# Altium PCB Pi4GPU_v1.PcbDoc (part 3 of 4)
Units mm, origin at the board's own origin, x right, y up, seen from the top; angles counter-clockwise.
Board outline 161.8 x 100 mm, 4 copper layers (L1 [TOP], L2, L3, L4 [BOT]), stack 1.548 mm thick; 285 components, 169 nets, 1067 pads, 1076 vias.
Unrouted connection lines stored in the file: 241.
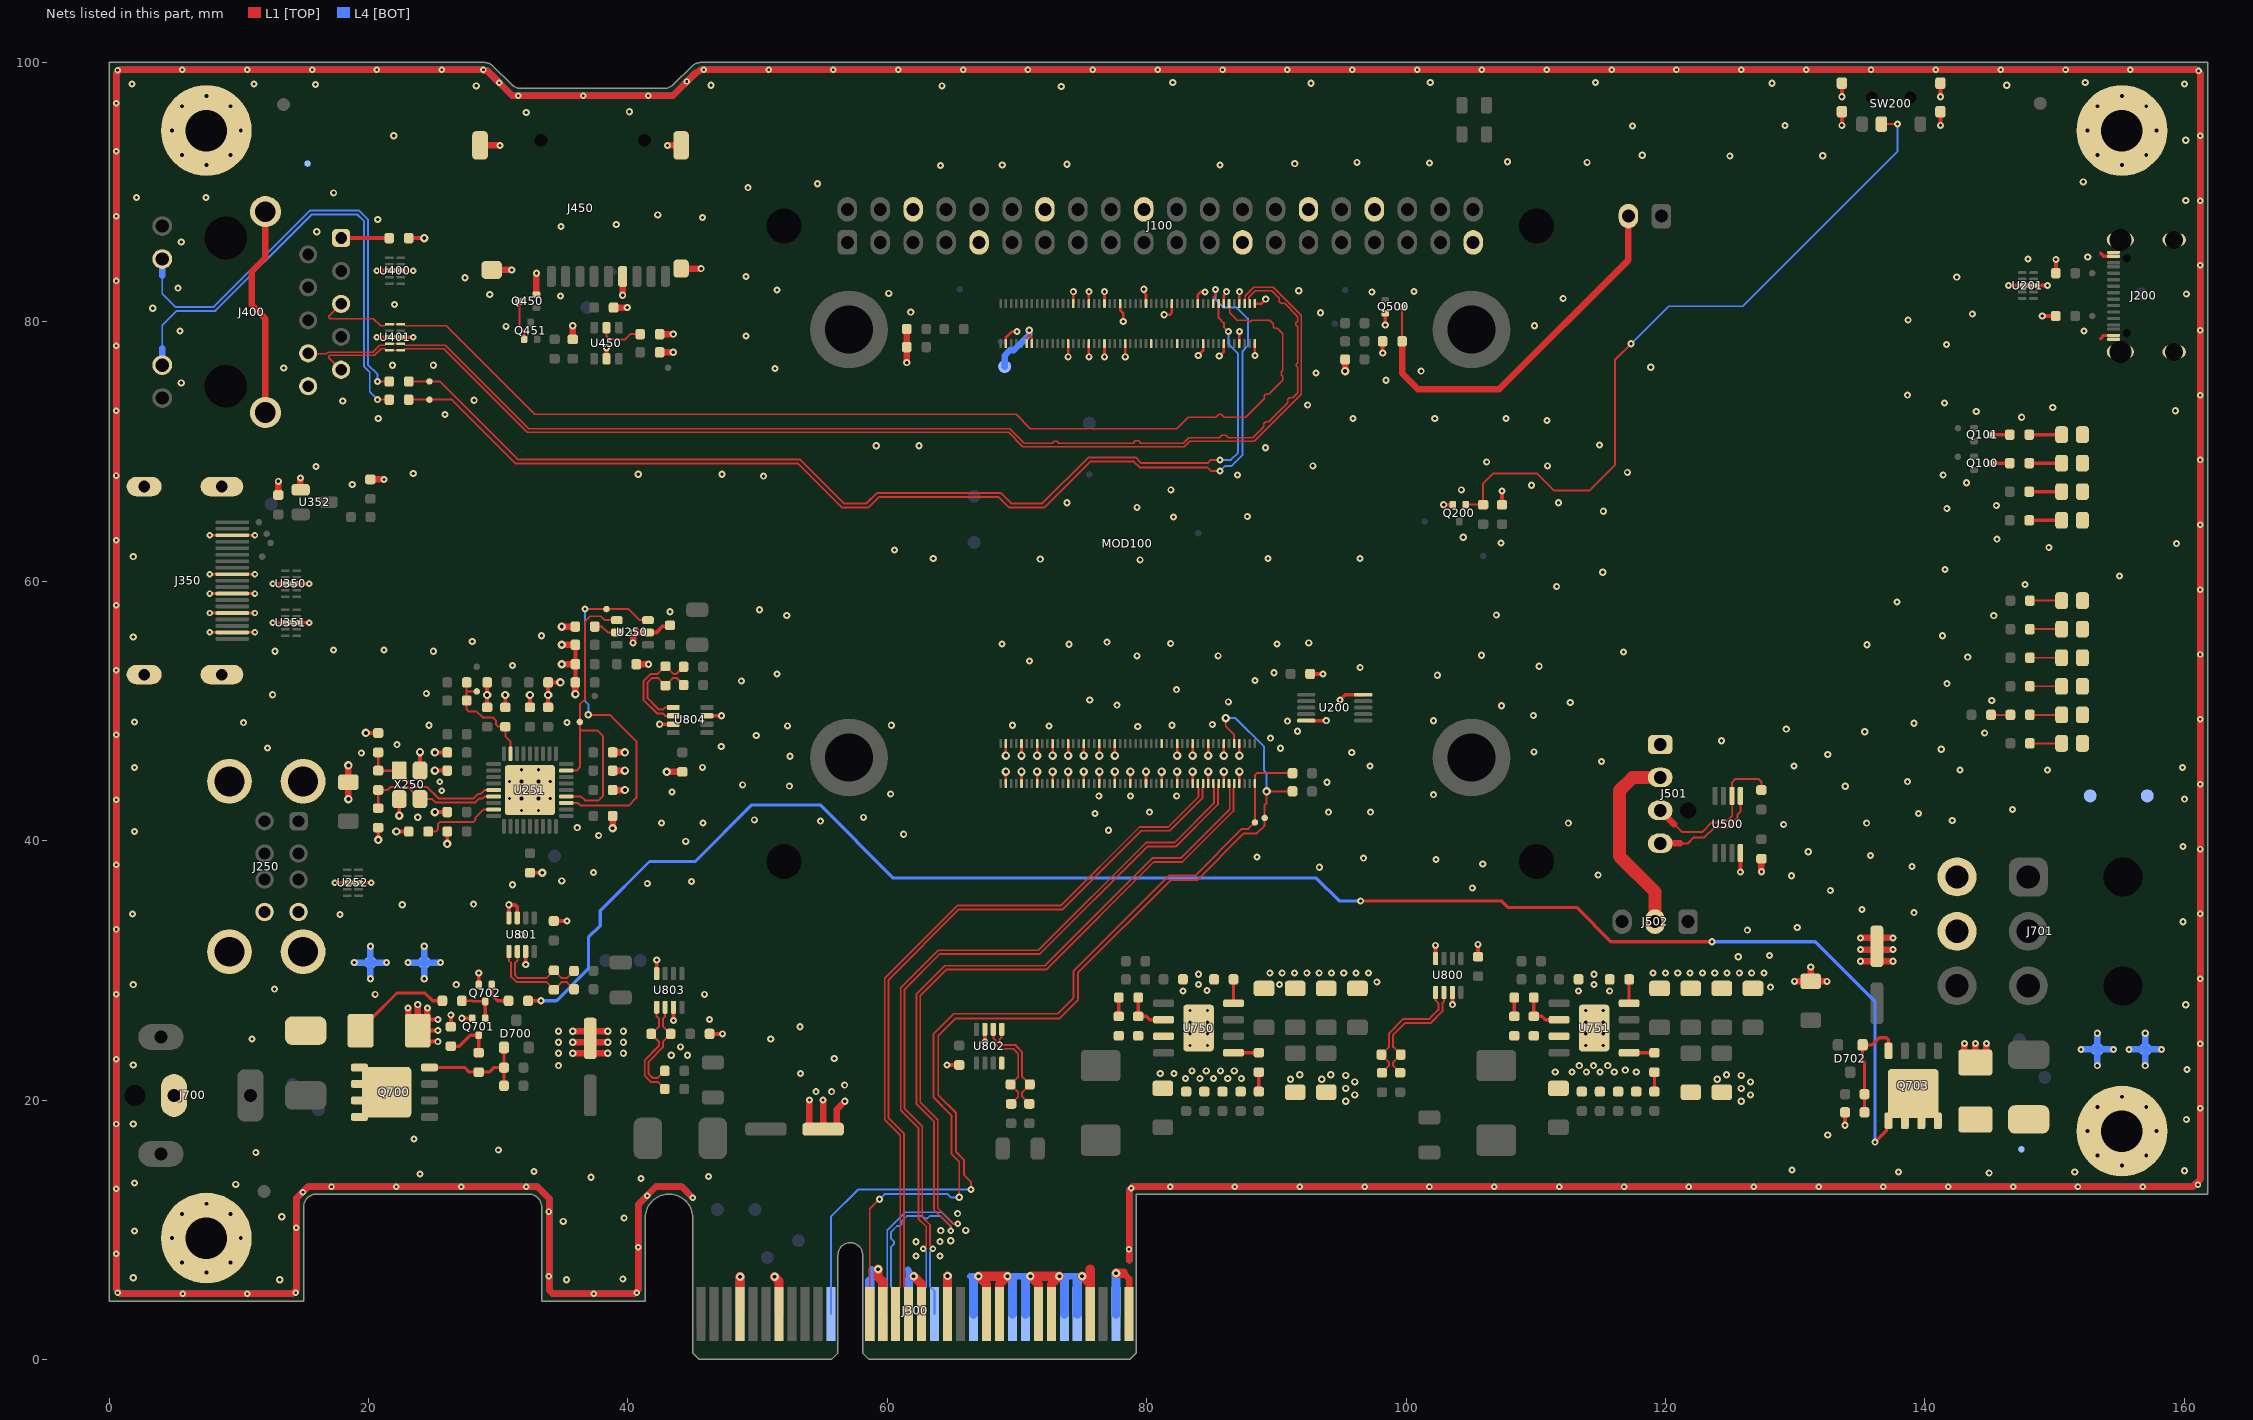
[diagram p5: the nets of this part, all layers, seen from the top]

## Via types
v1: diameter 0.55, hole 0.25, L1 [TOP] to L4 [BOT], 764 vias
v2: diameter 0.65, hole 0.3, L1 [TOP] to L4 [BOT], 174 vias
v3: diameter 0.5, hole 0.2, L1 [TOP] to L4 [BOT], 138 vias

## Nets (pads, with @x,y where several pads share a name; then routed paths per layer and width w, separated by ;. In a path a pad name is that pad's centre, name@x,y a point inside that pad or via, vN(x,y) a via of type N, cw(c..) or ccw(c..) an arc to the next point about the centre after c; other vN are vias at no path point) (continued)
ETH_D2_P: J400.5 MOD100.11 U401.1 U401.10 | length 89.9
  L1 [TOP] w0.102: U401.1@21.612,79.8 U401.10@22.487,79.8
  L1 [TOP] w0.112: J400.5@17.89,81.385 16.946,80.441 16.946,80.348 17.044,80.25 20.374,80.25 20.942,79.682 21.265,79.682 21.331,79.748 21.331,79.756 21.375,79.8 U401.1@21.612,79.8 ; U401.10@22.487,79.8 22.725,79.8 22.769,79.756 22.769,79.748 22.835,79.682 26.014,79.682 32.827,72.869 69.932,72.869 71.027,71.774 82.338,71.774 83.208,72.645 85.346,72.645 85.58,72.879 85.747,72.879 85.981,72.645 87.645,72.645 89.073,74.073 89.073,74.293 89.181,74.4 89.4,74.4 90.5,75.5 90.5,75.8 90.362,75.938 90.362,76.12 90.5,76.259 90.5,79.096 90.085,79.511 89.875,79.511 89.75,79.636 89.75,79.846 89.473,80.122 88.094,80.122 87.975,80.004 87.819,80.004 87.7,80.122 86.978,80.122 86.418,80.682 86.418,81.072 86.35,81.14 MOD100.11@86.35,81.4
ETH_D3_N: J400.9 MOD100.5 U401.5 U401.6 | length 93.7
  L1 [TOP] w0.102: U401.5@21.612,77.8 U401.6@22.487,77.8
  L1 [TOP] w0.112: J400.9@17.89,76.305 16.946,77.249 16.946,77.342 17.011,77.408 20.458,77.408 20.968,77.918 21.265,77.918 21.331,77.852 21.331,77.844 21.375,77.8 U401.5@21.612,77.8 ; U401.6@22.487,77.8 22.725,77.8 22.769,77.844 22.769,77.852 22.835,77.918 25.803,77.918 32.248,71.473 69.353,71.473 70.448,70.378 82.916,70.378 83.338,70.799 88.295,70.799 91.914,74.419 91.914,80.51 89.774,82.65 88.276,82.65 87.618,81.992 87.618,81.728 87.55,81.66 MOD100.5@87.55,81.4
ETH_D3_P: J400.8 MOD100.3 U401.4 U401.7 | length 93.7
  L1 [TOP] w0.102: U401.4@21.612,78.3 U401.7@22.487,78.3
  L1 [TOP] w0.112: J400.8@15.35,77.575 15.396,77.529 16.759,77.529 16.902,77.672 20.348,77.672 20.858,78.182 21.265,78.182 21.331,78.248 21.331,78.256 21.375,78.3 U401.4@21.612,78.3 ; U401.7@22.487,78.3 22.725,78.3 22.769,78.256 22.769,78.248 22.835,78.182 25.913,78.182 32.358,71.737 69.463,71.737 70.558,70.642 72.716,70.642 72.871,70.797 73.052,70.797 73.207,70.642 78.95,70.642 79.124,70.816 79.384,70.816 79.558,70.642 82.807,70.642 83.151,70.986 83.228,71.064 85.603,71.064 85.789,71.25 86.09,71.25 86.276,71.064 88.186,71.064 89.036,71.914 89.036,72.155 89.181,72.3 89.421,72.3 90.882,73.761 90.882,74.032 91.01,74.16 91.282,74.16 91.65,74.528 91.65,76.482 91.543,76.589 91.543,76.719 91.65,76.827 91.65,79.633 91.504,79.779 91.504,79.913 91.65,80.059 91.65,80.4 90.63,81.42 90.359,81.42 90.235,81.544 90.235,81.815 89.664,82.386 88.386,82.386 87.882,81.882 87.882,81.728 87.95,81.66 MOD100.3@87.95,81.4
ETH_LED_nACT: MOD100.15 R400.1 TP400.1 | length 82.6
  L1 [TOP] w0.15: R400.1@23.1,75.4 TP400.1@24.7,75.4 25.5,75.4 31.5,69.4 53.261,69.4 56.661,66 58.4,66 59.216,66.816 68.734,66.816 69.55,66 71.968,66 75.52,69.552 79.148,69.552 79.598,69.102 84.702,69.102 84.95,69.35 v1(85.65,69.35) ; MOD100.15@85.55,81.4 85.55,80.3 85.95,79.9 85.95,79.6 v1(86.3,79.25)
  L4 [BOT] w0.15: v1(85.65,69.35) 86.5,69.35 87.05,69.9 87.05,77.55 86.3,78.3 v1(86.3,79.25)
ETH_LED_nSPD: MOD100.17 R401.1 TP401.1 | length 86.4
  L1 [TOP] w0.15: R401.1@23.1,74 TP401.1@24.7,74 26.43,74 31.362,69.068 53.123,69.068 56.523,65.668 58.538,65.668 59.353,66.483 68.597,66.483 69.412,65.668 72.105,65.668 75.658,69.22 79.01,69.22 79.46,68.77 84.68,68.77 84.95,68.5 v1(85.65,68.5) ; MOD100.17@85.15,81.4 85.15,81.9 85.3,82.05 v1(85.3,82.5)
  L4 [BOT] w0.15: v1(85.3,82.5) 85.3,81.75 85.95,81.1 86.95,81.1 87.8,80.25 87.8,78.15 87.4,77.75 87.4,69.755 86.545,68.9 86.05,68.9 v1(85.65,68.5)
FAN2_PWM: J501.4 U500.5 | length 8.6
  L1 [TOP] w0.15: 121.126,39.79 121.74,39.79 122.2,40.25 123,40.25 123.75,41 124.8,41 125.55,41.75 125.55,42 125.775,42.225 U500.5@125.775,43.45
  L1 [TOP] w0.5: J501.4@119.6,39.79 121.126,39.79
FAN2_TACH: J501.3 R500.1 U500.6 | length 12.4
  L1 [TOP] w0.15: 120.679,41.251 121.28,40.65 122.834,40.65 123.584,41.4 124.634,41.4 125.15,41.916 U500.6@125.15,43.35 ; U500.6@125.125,43.45 125.125,44.475 125.4,44.75 127.2,44.75 127.4,44.55 R500.1@127.4,43.9
  L1 [TOP] w0.5: J501.3@119.6,42.33 120.679,41.251
GND: C100.1 C200.1 C250.1 C251.1 C252.1 C253.1 C254.1 C255.1 C256.1 C257.1 C258.1 C259.1 C260.1 C261.1 C262.1 C263.1 C264.1 C265.1 C266.1 C267.1 C268.1 C350.1 C351.1 C400.1 C450.1 C451.1 C500.1 C701.1 C703.1 C704.1 C705.1 C751.1 C752.1 C753.1 C755.1 C756.1 C757.1 C758.1 C759.1 C760.1 C761.1 C762.1 C763.1 C764.1 C765.1 C767.1 C768.1 C769.1 C771.1 C772.1 C773.1 C774.1 C775.1 C776.1 C777.1 C778.1 C779.1 C780.1 C781.1 C802.1 C803.1 C806.1 C807.1 C809.1 D701.2 D703.2 J100.6 J100.9 J100.14 J100.20 J100.25 J100.30 J100.34 J100.39 J200.A1 J200.A12 J200.B1 J200.B12 J200.SH J250.4 J250.8 J250.SH1 J250.SH2 J250.SH3 J250.SH4 J300.A04 J300.A12 J300.A15 J300.A18 J300.A20 J300.A23 J300.A24 J300.A27 J300.A28 J300.A31 J300.B04 J300.B07 J300.B13 J300.B16 J300.B18 J300.B21 J300.B22 J300.B25 J300.B26 J300.B29 J300.B32 J350.2 J350.5 J350.8 J350.11 J350.17 J350.SH J400.10 J400.SH J450.6 J450.SH1 J450.SH2 J450.SH3 J450.SH4 J501.1 J700.2 J701.4 J701.5 LED100.1 LED101.1 LED500.1 LED501.1 LED700.1 LED701.1 LED702.1 LED703.1 LED750.1 LED751.1 MH904.MH MH905.MH MH906.MH MH907.MH MOD100.1 MOD100.2 MOD100.7 MOD100.8 MOD100.13 MOD100.14 MOD100.22 MOD100.23 MOD100.32 MOD100.33 MOD100.42 MOD100.43 MOD100.52 MOD100.53 MOD100.59 MOD100.60 MOD100.65 MOD100.66 MOD100.71 MOD100.74 MOD100.98 MOD100.107 MOD100.108 MOD100.113 MOD100.114 MOD100.119 MOD100.120 MOD100.125 MOD100.126 MOD100.131 MOD100.132 MOD100.137 MOD100.138 MOD100.144 MOD100.150 MOD100.155 MOD100.156 MOD100.161 MOD100.162 MOD100.167 MOD100.168 MOD100.173 MOD100.174 MOD100.179 MOD100.180 MOD100.185 MOD100.186 MOD100.191 MOD100.192 MOD100.197 MOD100.198 Q200.2 Q450.2 Q500.2 Q701.2 Q702.2 R103.1 R104.1 R201.2 R202.2 R203.1 R250.1 R251.1 R252.1 R253.1 R254.1 R255.1 R451.1 R452.1 R503.1 R705.1 R709.1 R754.1 R760.1 SW200.SH TP110.1 TP111.1 TP700.1 TP701.1 TP702.1 TP703.1 TP753.1 TP755.1 U200.5 U200.10 U201.3 U201.8 U250.2 U251.EP U252.3 U252.8 U350.3 U350.8 U351.3 U351.8 U352.1 U400.3 U400.8 U401.3 U401.8 U450.2 U500.4 U750.7 U750.EP U751.7 U751.EP U800.3 U800.8 U801.3 U801.7 U801.8 U802.3 U802.8 U803.3 U803.8 U804.3 U804.7 X250.2 X250.4 | length 1327.4
  L1 [TOP] w0.2: v3(7.75,56.05) J350.2@9.5,56.05 v3(11.25,56.05) ; v3(7.75,57.55) J350.5@9.5,57.55 v3(11.25,57.55) ; v3(7.75,59.05) J350.8@9.5,59.05 v3(11.25,59.05) ; v3(7.75,60.55) J350.11@9.5,60.55 v3(11.25,60.55) ; v3(7.75,63.55) J350.17@9.5,63.55 v3(11.25,63.55) ; MOD100.198@69.15,44.4 v2(69.15,45.325) ; v2(69.15,46.555) MOD100.197@69.15,47.48 ; MOD100.98@69.15,78.32 69.15,78.8 69.6,79.25 v1(70,79.25) ; MOD100.192@70.35,44.4 v2(70.35,45.325) ; v2(70.35,46.555) MOD100.191@70.35,47.48 ; MOD100.186@71.55,44.4 v2(71.55,45.325) ; v2(71.55,46.555) MOD100.185@71.55,47.48 ; MOD100.180@72.75,44.4 v2(72.75,45.325) ; v2(72.75,46.555) MOD100.179@72.75,47.48 ; MOD100.174@73.95,44.4 v2(73.95,45.325) ; v2(73.95,46.555) MOD100.173@73.95,47.48 ; v1(73.95,77.3) MOD100.74@73.95,78.32 ; MOD100.71@74.35,81.4 v1(74.35,82.325) v1@74.35,82.35 ; MOD100.168@75.15,44.4 v2(75.15,45.325) ; v2(75.15,46.555) MOD100.167@75.15,47.48 ; v1(75.55,77.3) MOD100.66@75.55,78.32 ; MOD100.65@75.55,81.4 v1(75.55,82.325) v1@75.55,82.35 ; MOD100.162@76.35,44.4 v2(76.35,45.325) ; v2(76.35,46.555) MOD100.161@76.35,47.48 ; v1(76.75,77.3) MOD100.60@76.75,78.32 ; MOD100.59@76.75,81.4 v1(76.75,82.325) ; MOD100.156@77.55,44.4 v2(77.55,45.325) ; v2(77.55,46.555) MOD100.155@77.55,47.48 ; MOD100.53@77.95,81.4 77.95,80.9 78.2,80.65 v1@78.2,80 ; v1(78.35,77.3) MOD100.52@78.35,78.32 ; MOD100.150@78.75,44.4 v2(78.75,45.325) ; v1(79.784,82.516) 79.784,82.266 79.95,82.1 MOD100.43@79.95,81.4 ; MOD100.144@79.95,44.4 v2(79.95,45.325) ; MOD100.138@81.15,44.4 v2(81.15,45.325) ; v1(81.35,80.55) 81.8,80.55 81.95,80.7 MOD100.33@81.95,81.4 ; MOD100.132@82.35,44.4 v2(82.35,45.325) ; v2(82.35,46.555) MOD100.131@82.35,47.48 ; MOD100.126@83.55,44.4 v2(83.55,45.325) ; v2(83.55,46.555) MOD100.125@83.55,47.48 ; MOD100.23@83.95,81.4 83.95,82.1 84.15,82.3 v1(84.5,82.3) ; v1(83.975,77.4) 84.35,77.775 MOD100.22@84.35,78.32 ; MOD100.120@84.75,44.4 v2(84.75,45.325) ; v2(84.75,46.555) MOD100.119@84.75,47.48 ; v1(85.6,77.375) 85.95,77.725 MOD100.14@85.95,78.32 ; MOD100.114@85.95,44.4 v2(85.95,45.325) ; v2(85.95,46.555) MOD100.113@85.95,47.48 ; MOD100.13@85.95,81.4 85.95,81.665 85.95,82.033 86.15,82.233 v1(86.15,82.325) ; MOD100.108@87.15,44.4 v2(87.15,45.325) ; v2(87.15,46.555) MOD100.107@87.15,47.48 ; MOD100.8@87.15,78.32 v1(87.15,79.245) v1@87.15,79.27 ; MOD100.7@87.15,81.4 v1(87.15,82.325) v1@87.15,82.35 ; v1@88.35,77.37 v1(88.35,77.395) MOD100.2@88.35,78.32 ; MOD100.1@88.35,81.4 88.838,81.4 v1(89.188,81.75)
  L1 [TOP] w0.25: U200.5@92.3,49.25 v1(93.85,49.25) ; v1(94.9,50.85) 95.3,51.25 U200.10@96.7,51.25 ; 153.55,78.7 153.8,78.95 J200.B12@154.55,78.95 ; 153.55,85.3 153.8,85.05 J200.B1@154.55,85.05
  L1 [TOP] w0.3: v3(12.625,56.8) U351.3@13.638,56.8 U351.8@14.413,56.8 v3(15.425,56.8) ; v3(12.625,59.8) U350.3@13.638,59.8 U350.8@14.413,59.8 v3(15.425,59.8) ; v3(17.4,36.75) U252.3@18.413,36.75 U252.8@19.188,36.75 v3(20.2,36.75) ; v2(19.8,48.3) C266.1@20.75,48.3 ; v3(20.65,78.8) U401.3@21.662,78.8 U401.8@22.438,78.8 v3(23.45,78.8) ; v3(20.65,83.95) U400.3@21.662,83.95 U400.8@22.438,83.95 v3(23.45,83.95) ; v2(20.75,40.05) C267.1@20.75,41 ; v2(22.15,40.7) R251.1@23.1,40.7 ; v2(22.375,41.925) X250.2@22.375,43.2 ; C400.1@23.1,86.45 v2(24.3,86.45) ; D701.2@23.8,24.5 v1(25.35,24.5) ; D701.2@23.8,25.35 v1(25.35,25.35) ; D701.2@23.8,26.2 v1(25.35,26.2) ; X250.4@23.975,45.4 v2(23.975,46.825) ; v2(25.125,42.2) C264.1@26.075,42.2 ; v2(25.125,45.4) C257.1@26.075,45.4 ; v2(25.125,46.8) C256.1@26.075,46.8 ; v2(26.075,39.75) C260.1@26.075,40.7 ; R705.1@26.35,25.65 v1(26.35,26.55) ; v1(27.2,26.3) Q701.2@28,26.3 ; Q702.2@28.5,28.9 v1(28.5,29.8) ; R255.1@29.15,50.275 v2(29.15,51.225) R254.1@29.15,52.2 ; C268.1@30.55,50.275 v2(30.55,51.225) ; U801.8@30.825,34.05 v1(30.825,35.05) 31.299,35.05 31.475,34.874 U801.7@31.475,34.05 ; v1(32.125,30.45) U801.3@32.125,31.45 ; C259.1@32.45,37.525 v2(33.4,37.525) ; C262.1@32.45,50.275 v2(32.45,51.225) ; R252.1@33.85,50.275 v2(33.85,51.225) R253.1@33.85,52.2 v2(34.8,52.2) ; C803.1@34.3,33.8 v1(35.3,33.8) ; C253.1@35.95,52.2 C255.1@35.95,53.6 C252.1@35.95,55.1 ; U450.2@38.35,77.15 v1(38.35,78) ; U250.2@41.55,56.05 42.2,56.05 42.674,56.524 43.174,56.524 C250.1@43.25,56.6 ; U803.8@42.225,29.75 v1(42.225,30.8) ; v1(42.45,48.975) U804.3@43.5,48.975 ; v1(43.525,26.125) U803.3@43.525,27.15 ; U804.7@46.1,49.625 v1(47.225,49.625) ; C807.1@46.3,25.1 v1(47.3,25.1) ; v1(64.6,22.7) C806.1@65.55,22.7 ; v1(67.525,24.475) U802.3@67.525,25.45 ; C200.1@92.6,52.85 v1(93.6,52.85) ; v1(98.2,77.6) R503.1@98.2,78.5 ; v1(98.4,79.75) Q500.2@98.4,80.65 ; U800.8@102.275,30.9 v1(102.275,31.925) ; v1(102.9,65.9) Q200.2@103.6,65.9 ; v1(103.575,27.35) U800.3@103.575,28.3 ; C802.1@105.55,31.05 v1(105.55,32) ; R203.1@107.4,65.9 v1(107.4,66.95) ; v1(125.775,37.575) U500.4@125.775,39.05 ; v1(133.6,95.15) SW200.SH@133.6,96.2 ; v1(133.6,97.35) SW200.SH@133.6,98.4 ; v1(133.85,18.05) R709.1@133.85,19.05 ; v1(141.2,95.15) SW200.SH@141.2,96.2 ; v1(141.2,97.35) SW200.SH@141.2,98.4 ; v1(146.45,82.8) U201.8@147.562,82.8 U201.3@148.337,82.8 v1(149.45,82.8) ; v1(149.05,80.45) R202.2@150.1,80.45 ; R201.2@150.1,83.75 v1(150.1,84.8)
  L1 [TOP] w0.5: J400.SH@12.05,73.005 12.05,80.25 11,81.3 11,83.9 12.05,84.95 J400.SH@12.05,88.495 ; C351.1@13.05,66.65 v1(13.05,67.7) ; v1(14.75,67.95) 14.75,67.075 U352.1@14.775,67.05 ; v2(18.45,43.2) C251.1@18.45,44.5 v2(18.45,45.8) ; C350.1@20.15,67.85 v1(21.2,67.85) ; D701.2@23.05,25.1 v1(23.05,27.1) ; D701.2@23.8,25.35 v1(23.8,27.35) ; D701.2@24.55,25.1 v1(24.55,27.1) ; J450.SH3@28.6,93.6 v1(30.15,93.6) ; J450.SH4@29.5,84 v1(31.05,84) ; Q450.2@32.95,82.1 v1(32.95,83.75) ; v2(34.9,53.6) C255.1@35.95,53.6 ; v2(34.9,55.1) C252.1@35.95,55.1 ; v2(34.9,56.5) R250.1@35.95,56.5 ; v1(35.75,23.6) 37.1,23.6 v1(38.45,23.6) ; v1(35.75,24.45) 37.1,24.45 v1(38.45,24.45) ; v1(35.75,25.3) 37.1,25.3 v1(38.45,25.3) ; C450.1@35.75,78.65 v1(35.75,79.7) ; v2(35.95,51.3) C253.1@35.95,52.2 ; v2(38.825,40.95) C258.1@38.825,41.9 ; C265.1@38.825,43.9 v2(39.775,43.9) ; C263.1@38.825,45.4 v2(39.775,45.4) ; C261.1@38.825,46.8 v2(39.775,46.8) ; C451.1@38.9,81.1 v1(39.95,81.1) ; v1(39.6,82.05) J450.6@39.6,83.5 ; v1(40.4,55.25) v1(40.4,56.05) U250.2@41.55,56.05 ; C254.1@40.65,53.6 v1(41.6,53.6) ; R451.1@42.45,77.65 v1(43.5,77.65) ; R452.1@42.45,79.05 v1(43.5,79.05) ; v2(43,45.3) C809.1@44.2,45.3 ; v1(43.05,93.6) J450.SH2@44.1,93.6 ; J450.SH1@44.1,84.1 v1(45.65,84.1) ; v3@45.01,12.46 44.169,13.302 42.156,13.302 40.795,11.94 40.795,5.36 40.502,5.067 34.219,5.067 33.926,5.36 33.926,12.425 33.04,13.31 15.343,13.31 14.419,12.386 14.419,5.347 14.126,5.054 0.9,5.054 0.55,5.403 0.55,18.65 0.55,99.156 0.843,99.449 28.859,99.449 28.966,99.342 29.176,99.342 31.077,97.441 43.462,97.441 45.135,99.115 45.669,99.45 160.957,99.45 161.25,99.157 161.25,13.9 160.675,13.325 78.935,13.325 78.642,13.032 78.642,7.65 ; C705.1@54,17.75 v1(54,20) ; C705.1@55.05,17.75 v1(55.05,20) ; C705.1@56.1,17.75 56.1,19.271 v1(56.732,19.903) ; v1(61.5,76.85) C100.1@61.5,78.05 R103.1@61.5,79.45 ; 78.21,6.64 78.65,6.2 J300.B32@78.65,3.5 ; v2(95.3,76.2) R104.1@95.3,77.1 ; v1(127.4,37.6) C500.1@127.4,38.6 ; v1(129.95,29.15) C703.1@131.2,29.15 ; v1(131.2,30.25) C703.1@131.2,29.15 ; v1(132.45,29.15) C703.1@131.2,29.15 ; v1(135.05,30.7) 136.3,30.7 v1(137.55,30.7) ; v1(135.05,31.6) 136.3,31.6 v1(137.55,31.6) ; v1(135.05,32.5) 136.3,32.5 v1(137.55,32.5) ; D703.2@143.05,22.9 v1(143.05,24.35) ; D703.2@143.9,22.9 v1(143.9,24.35) ; D703.2@144.75,22.9 v1(144.75,24.35)
  L1 [TOP] w0.7: J300.B04@48.65,3.5 v2(48.65,6.37) ; v2(51.32,6.37) 51.65,6.04 J300.B07@51.65,3.5 ; v2(59.3,6.95) 59.3,6.35 59.65,6 J300.B13@59.65,3.5 ; v2@62.059,6.381 v2(62.03,6.41) 62.65,5.79 J300.B16@62.65,3.5 ; J300.B18@64.65,3.5 v2(64.65,6.43) ; J300.B21@67.65,3.5 67.65,5.79 v2(67.03,6.41) ; 67.69,6.41 v2(67.03,6.41) ; J300.B22@68.65,3.5 68.65,5.79 v2(69.27,6.41) v2(67.03,6.41) ; J300.B25@71.65,3.5 71.65,5.79 v2(71.03,6.41) v2(73.27,6.41) ; J300.B26@72.65,3.5 72.65,5.79 v2(73.27,6.41) ; 72.71,6.41 v2(73.27,6.41) ; v2(75.03,6.41) 75.65,5.79 ; J300.B29@75.65,3.5 75.65,5.79 ; 75.65,6.95 75.65,5.79 ; v2(77.65,6.64) 78.21,6.64
  L4 [BOT] w0.5: v1(18.9,30.6) TP703.1@20.15,30.6 ; v1(20.15,29.35) TP703.1@20.15,30.6 ; v1(20.15,31.85) TP703.1@20.15,30.6 ; v1(21.4,30.6) TP703.1@20.15,30.6 ; v1(23.05,30.6) TP702.1@24.3,30.6 ; v1(24.3,29.35) TP702.1@24.3,30.6 ; v1(24.3,31.85) TP702.1@24.3,30.6 ; v1(25.55,30.6) TP702.1@24.3,30.6 ; v3@45.01,12.46 44.169,13.302 42.156,13.302 40.795,11.94 40.795,5.36 40.502,5.067 34.219,5.067 33.926,5.36 33.926,12.425 33.04,13.31 15.343,13.31 14.419,12.386 14.419,5.347 14.126,5.054 0.9,5.054 0.55,5.403 0.55,18.65 0.55,99.156 0.843,99.449 28.859,99.449 28.966,99.342 29.176,99.342 31.077,97.441 43.462,97.441 45.135,99.115 45.669,99.45 160.957,99.45 161.25,99.157 161.25,13.9 160.675,13.325 78.935,13.325 78.642,13.032 78.642,7.65 ; 58.65,6.05 58.8,6.2 58.8,6.95 ; 61.6,6.9 61.65,6.85 61.65,6.03 v2(62.03,6.41) ; 66.39,6.41 v2(67.03,6.41) 66.65,6.03 ; 69.65,6.03 v2(69.27,6.41) v2(71.03,6.41) 70.65,6.03 ; 73.65,6.03 v2(73.27,6.41) v2(75.03,6.41) 74.65,6.03 ; v1(152.05,23.9) TP701.1@153.3,23.9 ; v1(153.3,22.65) TP701.1@153.3,23.9 ; v1(153.3,25.15) TP701.1@153.3,23.9 ; v1(154.55,23.9) TP701.1@153.3,23.9 ; v1(155.75,23.9) TP700.1@157,23.9 ; v1(157,22.65) TP700.1@157,23.9 ; v1(157,25.15) TP700.1@157,23.9 ; v1(158.25,23.9) TP700.1@157,23.9
  L4 [BOT] w0.7: J300.A04@48.65,3.5 v2(48.65,6.37) ; J300.A12@58.65,3.5 58.65,6.05 ; J300.A15@61.65,3.5 61.65,6.03 ; J300.A18@64.65,3.5 v2(64.65,6.43) ; J300.A20@66.65,3.5 66.65,6.03 ; J300.A23@69.65,3.5 69.65,6.03 ; J300.A24@70.65,3.5 70.65,6.03 ; J300.A27@73.65,3.5 73.65,6.03 ; J300.A28@74.65,3.5 74.65,6.03 ; J300.A31@77.65,3.5 v2(77.65,6.64)
  other v1: 13.164,6.145 35.264,6.145 39.614,6.195 1.864,6.295 62.225,7.975 64.075,7.979 62.225,9.075 64.075,9.079 64.9,9.15 1.964,9.895 64.122,9.928 66.05,9.95 35.014,10.645 39.714,10.895 13.314,10.995 65.428,11.238 9.764,13.495 1.964,13.595 41.014,13.945 37.164,14.045 46.214,14.095 23.964,14.295 144.959,14.366 137.964,14.445 151.564,14.445 32.764,14.495 160.014,14.545 129.764,14.595 11.314,15.945 30.014,16.145 23.514,16.995 132.514,17.295 1.864,18.145 160.164,18.495 95.35,19.9 125.85,19.9 96.05,20.4 126.55,20.4 54.514,20.645 55.714,20.645 95.35,20.9 125.85,20.9 56.714,21.145 96.05,21.4 126.55,21.4 91.1,21.6 93.5,21.6 124,21.6 83,21.65 84.1,21.65 85.15,21.65 86.25,21.65 87.3,21.65 95.35,21.9 125.85,21.9 91.8,21.95 94.2,21.95 124.7,21.95 53.314,22.045 81.05,22.05 82.1,22.05 111.5,22.15 112.8,22.15 113.9,22.15 114.95,22.15 116.05,22.15 117.75,22.15 83.5,22.25 84.6,22.25 85.7,22.25 86.75,22.25 116.9,22.3 160.214,22.345 34.65,22.65 113.35,22.65 114.45,22.65 115.55,22.65 1.864,22.695 55.914,23.195 43.35,23.45 44.6,23.45 34.65,23.6 39.65,23.6 44.05,24.1 83.35,24.2 84.7,24.2 113.85,24.2 115.2,24.2 34.65,24.45 39.65,24.45 11.014,24.695 51.014,24.695 83.35,25.1 84.7,25.1 113.85,25.1 115.2,25.1 34.65,25.3 39.65,25.3 53.264,25.645 83.35,26 84.7,26 113.85,26 115.2,26 46.3,26.2 83.35,26.9 84.7,26.9 113.85,26.9 115.2,26.9 160.114,27.345 20.514,28.145 45.914,28.145 82.8,28.4 113.3,28.4 115.7,28.4 84.65,28.45 12.764,28.545 128.1,28.7 1.864,28.895 26.764,28.895 84,28.9 90.25,28.9 114.5,28.9 97.75,29.1 84,29.7 114.5,29.7 89.5,29.8 90.45,29.8 91.4,29.8 92.35,29.8 93.3,29.8 94.25,29.8 95.2,29.8 96.15,29.8 97.1,29.8 119.05,29.8 120,29.8 120.95,29.8 121.9,29.8 122.85,29.8 123.8,29.8 124.75,29.8 125.7,29.8 126.65,29.8 127.6,29.8 125.614,31.045 128.014,31.145 31.814,32.745 126.314,33.095 130.164,33.295 159.914,33.745 17.8,34.3 1.814,34.345 139.164,34.445 135.164,34.695 22.6,35.05 28.1,35.1 132.714,36.145 105.114,36.345 31.1,36.6 41.5,36.7 44.9,36.85 34.9,36.9 129.714,37.295 114.814,37.345 37.35,37.55 93.314,37.945 139.014,37.995 105.914,38.195 102.314,38.545 96.714,38.645 88.514,38.745 135.814,38.845 131.014,39.145 159.914,39.545 44.464,39.945 37.75,40.4 61.264,40.495 1.964,40.695 77.064,40.795 36.1,41 129.114,41.245 42.6,41.35 45.8,41.35 112.514,41.345 135.514,41.345 54.85,41.5 142.114,41.545 49.75,41.6 58.164,41.795 23.8,41.8 76.014,42.095 139.514,42.095 80.214,42.195 94.014,42.195 97.264,42.195 31.8,42.331 33.1,42.331 146.764,42.395 160.014,43.195 30.881,43.25 34.019,43.25 76.314,43.445 78.764,43.445 82.314,43.445 102.114,43.545 60.264,43.595 43.4,43.75 52.45,44.2 133.864,44.195 48.85,44.3 93.914,44.495 30.881,44.55 34.019,44.55 138.664,44.545 142.714,45.445 149.464,45.445 31.8,45.469 33.1,45.469 1.964,45.645 45.75,45.65 159.864,45.645 97.214,45.745 129.914,45.745 115.064,46.095 52.5,46.5 132.514,46.645 19.45,46.75 95.814,46.795 109.864,46.845 141.264,47.045 90.328,47.122 12.214,47.145 47.2,47.25 22.2,47.4 124.314,47.695 89.55,47.9 49.9,48.1 144.614,48.295 135.364,48.395 91.633,48.433 129.314,48.595 79.314,48.795 52.3,48.85 72.464,48.845 24.664,48.895 60.314,48.895 69.664,48.895 81.964,48.895 85.064,48.945 139.164,49.045 10.364,49.095 35.3,49.1 1.964,49.145 90.856,49.211 102.114,49.245 109.814,49.645 107.364,50.395 77.714,50.445 112.664,50.645 86.3,50.7 145.164,50.795 75.614,50.845 12.614,51.245 24.464,51.345 82.309,51.639 141.7,52.1 48.75,52.3 88.364,52.345 102.414,52.745 51.5,52.85 89.814,52.945 96.464,53.345 110.264,53.445 31.1,53.5 70.964,53.845 143.314,54.145 79.264,54.245 85.514,54.245 105.814,54.295 116.764,54.545 12.8,54.6 25,54.6 17.3,54.7 21.2,54.7 135.55,55.1 68.85,55.15 74.014,55.145 90.05,55.15 81.85,55.2 92.5,55.25 76.95,55.3 28,55.35 1.864,55.695 33.35,55.8 141.364,55.795 52.25,57.35 145.314,57.345 106.964,57.395 43.25,57.65 50.15,57.8 137.85,58.4 111.614,59.595 147.714,59.745 155.014,60.395 115.164,60.695 141.564,60.895 79.5,61.65 71.8,61.7 63.55,61.75 89.35,61.75 96.45,61.75 1.864,61.895 60.55,62.4 149.564,62.595 159.414,62.895 107.314,62.945 145.564,63.245 104.414,63.395 82.064,64.945 87.764,64.995 115.214,65.395 141.696,65.613 79.264,65.695 145.514,65.845 73.864,66.045 111.764,66.045 81.864,67.045 104.264,67.045 109.664,67.395 18.75,67.45 143.214,67.595 50.45,68.1 87.014,68.195 141.414,68.195 40.8,68.25 47.25,68.25 23.45,68.3 117.064,68.395 15.95,68.85 92.814,68.895 110.914,68.895 106.214,69.195 89.164,70.295 59.15,70.45 62.45,70.45 114.914,70.495 110.864,72.395 20.75,72.55 95.914,72.545 102.214,72.545 107.714,72.545 147.464,72.645 25.9,72.85 143.964,73.095 159.314,73.145 149.864,73.395 92.414,73.595 141.514,73.745 18.014,73.895 28.15,73.95 138.664,74.345 5.564,75.295 98.464,75.495 93.064,76.045 101.164,76.195 51.35,76.4 13.464,76.445 118.864,76.495 21.85,76.65 25,76.65 141.664,78.245 49.1,78.9 5.464,79.295 152.264,79.295 30.6,79.65 109.914,79.695 78.2,80.025 138.714,80.145 143.664,80.595 93.414,80.695 61.814,80.745 3.364,81.045 22.014,81.345 112.114,81.795 34.8,82 29.35,82.1 160.164,82.145 60.114,82.195 97.364,82.295 100.614,82.345 91.731,82.394 51.5,82.45 5.314,82.595 27.45,83.4 142.464,83.445 49.1,83.5 147.964,84.845 152.564,84.995 5.564,86.145 16.014,86.945 34.85,87.35 39.1,87.5 20.714,87.895 45.75,88.05 42.3,88.25 160.114,89.345 2.114,89.595 7.464,89.595 17.314,89.945 49.264,90.345 54.614,90.645 152.214,90.795 64.114,92.045 68.864,92.095 85.664,92.095 73.864,92.145 91.414,92.195 101.814,92.245 96.214,92.295 113.964,92.295 107.814,92.345 124.964,92.795 132.125,92.808 118.214,92.845 160.114,93.995 21.95,94.35 117.464,95.095 129.214,95.145 32.164,96.145 40.114,96.195 73.414,98.145 28.314,98.195 64.214,98.195 46.414,98.245 146.314,98.245 15.925,98.3 1.764,98.345 11.164,98.345 160.014,98.345 92.664,98.395 128.214,98.395 82.014,98.445 101.864,98.445 114.614,98.445 152.364,98.445
  other v2: 7.5,6.7 5.626,7.476 9.374,7.476 4.85,9.35 10.15,9.35 5.626,11.224 9.374,11.224 7.5,12 155.2,14.95 153.326,15.726 157.074,15.726 152.55,17.6 157.85,17.6 153.326,19.474 157.074,19.474 155.2,20.25 31.8,43.25 33.1,43.25 31.8,44.55 33.1,44.55 7.5,92.1 155.2,92.1 5.626,92.876 9.374,92.876 153.326,92.876 157.074,92.876 4.85,94.75 10.15,94.75 152.55,94.75 157.85,94.75 5.626,96.624 9.374,96.624 153.326,96.624 157.074,96.624 7.5,97.4 155.2,97.4
  other v3: 5.665,5.054 10.665,5.054 37.361,5.067 14.378,5.136 0.65,5.15 40.7,5.15 33.91,6.4 0.55,8.15 78.639,8.497 40.794,8.65 14.442,10.135 33.91,11.4 45.01,12.464 41.495,12.627 14.95,12.9 0.55,13.15 78.8,13.2 17.15,13.306 22.15,13.306 27.15,13.306 32.15,13.306 81.807,13.325 86.807,13.325 91.807,13.325 96.807,13.325 101.807,13.325 106.807,13.325 111.807,13.325 116.807,13.325 121.807,13.325 126.807,13.325 131.807,13.325 136.807,13.325 141.807,13.325 146.807,13.325 151.807,13.325 156.807,13.325 161.062,13.459 0.55,18.15 161.25,19.35 0.55,23.15 161.25,24.35 0.55,28.15 161.25,29.35 0.55,33.15 161.25,34.35 0.55,38.15 161.25,39.35 0.55,43.15 25.65,43.85 161.25,44.35 25.5,44.55 0.55,48.15 161.25,49.35 0.55,53.15 161.25,54.35 0.55,58.15 161.25,59.35 0.55,63.15 161.25,64.35 0.55,68.15 161.25,69.35 0.55,73.15 161.25,74.35 0.55,78.15 161.25,79.35 0.55,83.15 161.25,84.35 0.55,88.15 161.25,89.35 0.55,93.15 161.25,94.35 0.55,96.85 31.557,97.44 36.557,97.44 41.557,97.44 30.094,98.422 44.553,98.53 161.103,99.341 0.65,99.4 5.65,99.45 10.65,99.45 15.65,99.45 20.65,99.45 25.65,99.45 28.867,99.433 45.85,99.45 50.85,99.45 55.85,99.45 60.85,99.45 65.85,99.45 70.85,99.45 75.85,99.45 80.85,99.45 85.85,99.45 90.85,99.45 95.85,99.45 100.85,99.45 105.85,99.45 110.85,99.45 115.85,99.45 120.85,99.45 125.85,99.45 130.85,99.45 135.85,99.45 140.85,99.45 145.85,99.45 150.85,99.45 155.85,99.45
HUB_EN: TP252.1 U250.3 U251.12 | length 28.1
  L1 [TOP] w0.15: U251.12@35.25,42.9 36.15,42.9 36.35,42.7 40.05,42.7 40.65,43.3 40.65,47.65 38.6,49.7 v1(36.95,49.7) ; v1(36.7,57.85) TP252.1@38.35,57.85 40.05,57.85 40.9,57 U250.3@41.55,57
  L4 [BOT] w0.15: v1(36.7,57.85) 36.7,50.75 36.95,50.5 v1(36.95,49.7)
HUB_FLT: TP253.1 U250.4 U251.13 U251.17 | length 25
  L1 [TOP] w0.15: U251.13@35.25,43.4 36.4,43.4 36.7,43.1 37.75,43.1 38.1,43.45 38.1,48.05 37.65,48.5 36.3,48.5 ; U251.17@35.25,45.4 36.05,45.4 36.3,45.65 36.3,47.8 36.3,48.5 ; U250.4@39.15,57 38.2,57 37.9,57.3 37.082,57.3 36.7,56.918 36.7,50.9 36.3,50.5 36.3,48.5
HUB_nRST: C268.2 R257.1 R258.1 TP250.1 U251.26 | length 8.8
  L1 [TOP] w0.15: R258.1@27.575,52.2 27.575,51.5 ; TP250.1@28.35,51.5 27.575,51.5 ; U251.26@30.95,46.7 30.95,47.65 30.55,48.05 C268.2@30.55,48.775 30.538,48.787 30.013,48.787 29.85,48.95 29.85,49.25 29.6,49.5 28.8,49.5 28.35,49.95 27.75,49.95 27.575,50.125 R257.1@27.575,50.8 27.575,51.5
HUB_OSC1: C266.2 R256.2 U251.32 X250.1 | length 11.5
  L1 [TOP] w0.15: X250.1@22.35,45.3 23.5,44.15 24.5,44.15 25.4,43.25 28.1,43.25 28.45,43.6 28.65,43.6 28.95,43.9 U251.32@29.65,43.9
  L1 [TOP] w0.2: C266.2@20.75,46.8 R256.2@20.75,45.4 22.325,45.4 22.35,45.375 X250.1@22.35,45.3
HUB_OSC2: C267.2 R256.1 U251.33 X250.3 | length 11.1
  L1 [TOP] w0.15: R256.1@20.75,43.9 21.45,43.9 21.7,44.15 23.025,44.15 23.413,43.762 23.423,43.762 23.975,43.21 X250.3@23.975,43.2 24.9,43.2 25.15,42.95 28.25,42.95 28.55,43.25 28.8,43.25 28.95,43.4 U251.33@29.65,43.4
  L1 [TOP] w0.2: C267.2@20.75,42.5 R256.1@20.75,43.9
HUB_RBIAS: R251.2 U251.35 | length 6.1
  L1 [TOP] w0.15: R251.2@24.6,40.7 25.2,40.7 25.35,40.85 25.35,41.25 25.55,41.45 28.1,41.45 28.25,41.6 28.25,41.75 28.9,42.4 U251.35@29.65,42.4
LED_ACT_OUT: Q100.3 R105.2 | length 1.4
  L1 [TOP] w0.25: Q100.3@145.1,69.1 R105.2@146.55,69.1
LED_PWR_OUT: Q101.3 R106.2 | length 1.4
  L1 [TOP] w0.25: Q101.3@145.1,71.3 R106.2@146.55,71.3
NetC400_2: C400.2 J400.1 | length 3.7
  L1 [TOP] w0.3: J400.1@17.89,86.465 21.585,86.465 C400.2@21.6,86.45
NetC700_1: C700.1 D700.1 Q700.4 R702.1 R703.2 | length 9
  L1 [TOP] w0.25: Q700.4@24.7,22.505 27.421,22.505 27.776,22.15 29.3,22.15 29.65,22.5 C700.1@30.45,22.5 ; R702.1@30.45,21.1 C700.1@30.45,22.5 ; D700.1@30.45,24.05 C700.1@30.45,22.5
NetC702_1: C702.1 D702.1 Q703.4 R709.2 | length 8.4
  L1 [TOP] w0.25: R709.2@135.35,19.05 C702.1@135.35,20.45 135.35,22.9 135.2,23.05 D702.1@135.2,24.25 135.935,24.25 136.485,24.8 137.049,24.8 137.195,24.654 Q703.4@137.195,23.8
NetC750_1: C750.1 U750.1 | length 2
  L1 [TOP] w0.25: U750.1@86.7,23.645 86.705,23.65 C750.1@88.65,23.65
NetC750_2: C750.2 R750.1 | length 1.5
  L1 [TOP] w0.25: R750.1@88.65,20.65 C750.2@88.65,22.15
NetC760_2: C760.2 U750.4 | length 1.8
  L1 [TOP] w0.25: U750.4@86.7,27.455 C760.2@86.7,29.3
NetC764_2: C764.2 R753.2 U750.6 | length 3.5
  L1 [TOP] w0.25: R753.2@79.35,27.9 C764.2@79.35,26.45 79.985,26.45 80.25,26.185 U750.6@81.3,26.185
NetC765_2: C765.2 R753.1 | length 1.4
  L1 [TOP] w0.25: C765.2@77.85,26.45 R753.1@77.85,27.9
NetC766_1: C766.1 U751.1 | length 2
  L1 [TOP] w0.25: U751.1@117.2,23.645 117.205,23.65 C766.1@119.15,23.65
NetC766_2: C766.2 R755.1 | length 1.5
  L1 [TOP] w0.25: R755.1@119.15,20.65 C766.2@119.15,22.15
NetC776_2: C776.2 U751.4 | length 1.8
  L1 [TOP] w0.25: U751.4@117.2,27.455 C776.2@117.2,29.3
NetC780_2: C780.2 R759.2 U751.6 | length 3.5
  L1 [TOP] w0.25: R759.2@109.85,27.9 C780.2@109.85,26.45 110.485,26.45 110.75,26.185 U751.6@111.8,26.185
NetC781_2: C781.2 R759.1 | length 1.4
  L1 [TOP] w0.25: C781.2@108.35,26.45 R759.1@108.35,27.9
NetC800_1: C800.1 R802.1 U800.1 | length 9.7
  L1 [TOP] w0.15: R802.1@98.15,22.1 98.683,22.633 98.683,22.917 C800.1@98.1,23.5 98.697,24.097 98.697,25.147 99.8,26.25 101.8,26.25 102.5,26.95 102.5,27.45 102.275,27.675 U800.1@102.275,28.3
NetC800_2: C800.2 R803.1 U800.2 | length 9.7
  L1 [TOP] w0.15: R803.1@99.55,22.1 99.002,22.648 99.002,22.902 C800.2@99.6,23.5 98.997,24.103 98.997,25.023 99.924,25.95 101.924,25.95 102.8,26.826 102.8,27.45 102.925,27.575 U800.2@102.925,28.3
NetC801_1: C801.1 R804.1 U801.1 | length 7.8
  L1 [TOP] w0.15: U801.1@30.825,31.45 30.825,30.748 31.003,30.57 31.003,29.497 31.4,29.1 33.7,29.1 C801.1@34.3,28.5 34.895,29.095 35.305,29.095 R804.1@35.85,28.55
NetC801_2: C801.2 R805.1 U801.2 | length 7.3
  L1 [TOP] w0.15: U801.2@31.475,31.45 31.475,30.738 31.304,30.567 31.304,29.622 31.525,29.401 33.701,29.401 C801.2@34.3,30 34.9,29.4 35.3,29.4 R805.1@35.85,29.95
NetC804_1: C804.1 R808.1 U802.1 | length 7.9
  L1 [TOP] w0.15: U802.1@68.825,25.45 68.825,24.825 68.65,24.65 68.65,24.424 68.824,24.25 69.85,24.25 70.4,23.7 70.4,21.8 C804.1@71,21.2 70.4,20.6 70.4,20.25 R808.1@70.95,19.7
NetC804_2: C804.2 R809.1 U802.2 | length 7.9
  L1 [TOP] w0.15: U802.2@68.175,25.45 68.175,24.775 68.35,24.6 68.35,24.3 68.7,23.95 69.726,23.95 70.1,23.576 70.1,21.8 C804.2@69.5,21.2 70.1,20.6 70.1,20.25 R809.1@69.55,19.7
NetC805_1: C805.1 R810.1 U803.1 | length 8.3
  L1 [TOP] w0.15: U803.1@42.225,27.15 42.225,26.448 42.403,26.27 42.403,25.703 C805.1@41.8,25.1 42.4,24.5 42.4,24.174 41.3,23.074 41.3,21.876 41.776,21.4 42.3,21.4 R810.1@42.85,20.85
NetC805_2: C805.2 R811.1 U803.2 | length 7.8
  L1 [TOP] w0.15: R811.1@42.85,22.25 42.3,21.7 41.9,21.7 41.6,22 41.6,22.95 42.7,24.05 42.7,24.5 C805.2@43.3,25.1 42.704,25.696 42.704,26.267 42.875,26.438 U803.2@42.875,27.15
NetC808_1: C808.1 R813.1 U804.1 | length 7.3
  L1 [TOP] w0.15: U804.1@43.5,50.275 42.867,50.275 42.692,50.1 42.4,50.1 41.5,51 41.5,52.176 41.874,52.55 42.3,52.55 C808.1@42.9,51.95 43.5,52.55 43.75,52.55 R813.1@44.3,52
NetC808_2: C808.2 R814.1 U804.2 | length 8.3
  L1 [TOP] w0.15: U804.2@43.5,49.625 42.875,49.625 42.7,49.8 42.276,49.8 41.2,50.876 41.2,52.3 41.75,52.85 42.3,52.85 C808.2@42.9,53.45 43.5,52.85 43.75,52.85 R814.1@44.3,53.4
NetD701_1: D701.1 FUS700.2 Q700.5 Q700.6 Q700.7 Q700.8 Q700.EP R704.1 | length 8.1
  L1 [TOP] w0.25: D701.1@19.4,25.35 19.4,25.95 19.8,26.35 20.3,26.35 22.2,28.25 24.35,28.25 24.95,27.65 R704.1@25.7,27.65
NetD703_1: D703.1 FUS701.2 Q703.5 Q703.6 Q703.7 Q703.8 Q703.EP R708.1 | length 131.4
  L1 [TOP] w0.25: R708.1@32.3,27.65 v1(33.3,27.65) ; v1(96.5,35.35) 107.35,35.35 107.85,34.85 113.15,34.85 115.8,32.2 v1(123.6,32.2) ; v1(136.15,16.75) 137.051,17.651 137.051,18.256 Q703.5@137.195,18.4
  L4 [BOT] w0.25: v1(33.3,27.65) 34.505,27.65 36.961,30.106 36.961,32.538 37.864,33.442 37.864,34.588 41.666,38.39 45.19,38.39 49.55,42.75 54.825,42.75 60.463,37.112 93.088,37.112 94.85,35.35 v1(96.5,35.35) ; v1(123.6,32.2) 131.55,32.2 136.15,27.6 v1(136.15,16.75)
NetJ400_12: J400.12 R400.2 | length 36
  L1 [TOP] w0.15: v1(20.7,75.4) R400.2@21.6,75.4
  L4 [BOT] w0.15: 4.1,83.55 4.1,82.15 5.1,81.15 8.076,81.15 15.526,88.6 19.25,88.6 19.95,87.9 19.95,76.7 20.7,75.95 v1(20.7,75.4)
  L4 [BOT] w0.5: 4.1,83.55 J400.12@4.1,84.84
NetJ400_13: J400.13 R401.2 | length 37.5
  L1 [TOP] w0.15: v1(20.7,74) R401.2@21.6,74
  L4 [BOT] w0.15: 4.1,77.95 4.1,79.75 5.2,80.85 8.2,80.85 15.625,88.275 19.151,88.275 19.65,87.776 19.65,76.576 20.1,76.126 20.1,74.6 v1(20.7,74)
  L4 [BOT] w0.5: J400.13@4.1,76.66 4.1,77.95
NetJ500_2: J500.2 Q500.3 R503.2 | length 30.6
  L1 [TOP] w0.15: R503.2@99.7,78.5 Q500.3@99.7,81.15
  L1 [TOP] w0.5: R503.2@99.7,78.5 99.7,76.022 100.909,74.813 107.193,74.813 117.15,84.77 J500.2@117.15,88.15
NetJ501_2: J501.2 J502.2 | length 14.8
  L1 [TOP] w1: J502.2@119.2,33.75 119.2,36.05 116.45,38.8 116.45,43.85 117.47,44.87 J501.2@119.6,44.87
NetLED100_2: LED100.2 R105.1 | length 2.5
  L1 [TOP] w0.25: R105.1@148.05,69.1 LED100.2@150.55,69.1
NetLED101_2: LED101.2 R106.1 | length 2.5
  L1 [TOP] w0.25: R106.1@148.05,71.3 LED101.2@150.55,71.3
NetLED500_2: LED500.2 R501.2 | length 2.5
  L1 [TOP] w0.25: R501.2@148.05,66.9 LED500.2@150.55,66.9
NetLED501_2: LED501.2 R502.2 | length 2.5
  L1 [TOP] w0.25: R502.2@148.05,64.7 LED501.2@150.55,64.7
NetLED700_2: LED700.2 R700.1 | length 2.4
  L1 [TOP] w0.15: R700.1@148.1,54.1 LED700.2@150.55,54.1
NetLED701_2: LED701.2 R701.1 | length 2.4
  L1 [TOP] w0.15: R701.1@148.1,51.9 LED701.2@150.55,51.9
NetLED702_2: LED702.2 R706.1 | length 2.4
  L1 [TOP] w0.15: R706.1@148.1,58.5 LED702.2@150.55,58.5
NetLED703_2: LED703.2 R707.1 | length 2.4
  L1 [TOP] w0.15: R707.1@148.1,56.3 LED703.2@150.55,56.3
NetLED750_2: LED750.2 R751.1 | length 2.4
  L1 [TOP] w0.15: R751.1@148.1,47.5 LED750.2@150.55,47.5
NetLED751_2: LED751.2 R758.1 | length 2.4
  L1 [TOP] w0.15: R758.1@148.1,49.7 LED751.2@150.55,49.7
NetQ200_1: Q200.1 R200.2 SW200.2 | length 54.7
  L1 [TOP] w0.15: Q200.1@104.6,65.9 R200.2@105.95,65.9 105.95,67.55 106.7,68.3 110.1,68.3 111.4,67 114.15,67 116.1,68.95 116.1,77.056 v1(117.354,78.31) ; SW200.2@136.65,95.25 v1(137.9,95.25)
  L4 [BOT] w0.15: v1(117.354,78.31) 120.244,81.2 125.958,81.2 137.9,93.142 v1(137.9,95.25)
NetQ450_3: Q450.3 Q451.1 | length 3.1
  L1 [TOP] w0.15: Q450.3@31.65,81.6 31.65,79.6 32,79.25 Q451.1@32,78.65
NetQ701_1: Q701.1 Q702.3 R704.2 | length 3.1
  L1 [TOP] w0.2: R704.2@27.2,27.65 28,27.65 28.05,27.6 Q702.3@29,27.6
  L1 [TOP] w0.25: Q701.1@29,26.3 Q702.3@29,27.6
NetQ701_3: Q701.3 R703.1 R705.2 | length 3.9
  L1 [TOP] w0.25: R705.2@26.35,24.15 27.01,24.15 27.3,24.44 27.86,25 Q701.3@28.5,25 R703.1@28.5,23.65
NetQ702_1: Q702.1 R708.2 | length 2.3
  L1 [TOP] w0.25: Q702.1@29.5,28.9 29.5,28.1 29.95,27.65 R708.2@30.8,27.65
NetR250_2: R250.2 U250.5 | length 1.9
  L1 [TOP] w0.15: R250.2@37.45,56.5 38,56.5 38.45,56.05 U250.5@39.15,56.05
NetR452_2: R452.2 U450.5 | length 3.5
  L1 [TOP] w0.15: U450.5@38.35,79.55 38.35,78.9 38.6,78.65 39.8,78.65 40.2,79.05 R452.2@40.95,79.05
NetR756_1: R756.1 R758.2 | length 1.5
  L1 [TOP] w0.15: R756.1@145.1,49.7 R758.2@146.6,49.7
PCIe_CLK_N: J300.A14 MOD100.112 | length 64.1
  L1 [TOP] w0.141: v3(64.9,9.928) 64.9,10.251 63.6,11.551 63.6,18.36 62.246,19.714 62.246,28.16 64.436,30.35 72.147,30.35 80.447,38.65 82.644,38.65 86.403,42.409 86.403,44.04 86.377,44.067 86.377,44.373 MOD100.112@86.35,44.4
  L4 [BOT] w0.141: J300.A14@60.65,3.5 60.65,5.25 60.297,5.604 60.297,8.676 60.532,8.912 60.532,9.062 60.297,9.297 60.297,9.832 60.751,10.286 60.969,10.286 61.096,10.413 61.096,10.631 61.521,11.057 62.711,11.057 62.901,10.867 63.087,10.867 63.277,11.057 64.094,11.057 64.9,10.251 v3(64.9,9.928)
PCIe_CLK_P: J300.A13 MOD100.110 | length 64.1
  L1 [TOP] w0.141: 65.107,10.458 63.893,11.672 63.893,18.481 62.539,19.836 62.539,28.039 64.557,30.057 72.268,30.057 80.568,38.357 82.765,38.357 86.696,42.288 86.696,44.04 86.723,44.067 86.723,44.373 MOD100.110@86.75,44.4 ; 65.11,10.456 v3@65.428,10.456
  L4 [BOT] w0.141: J300.A13@59.65,3.5 59.65,5.25 60.003,5.603 60.003,9.954 61.4,11.35 64.215,11.35 65.105,10.461 ; 65.107,10.458 65.105,10.461 ; v3(65.428,10.461) 65.105,10.461
PCIe_nCLKREQ: J300.B12 MOD100.102 R301.2 TP300.1 | length 68.4
  L1 [TOP] w0.15: J300.B12@58.65,3.5 58.65,11.6 v1(59.4,12.35) ; v1(65.55,12.5) 65.55,15.25 64.95,15.85 64.95,18.824 63.581,20.193 63.581,25.092 65.139,26.65 73.155,26.65 74.35,27.845 74.35,29.941 81.709,37.3 83.75,37.3 87.35,40.9 87.85,40.9 TP300.1@88.35,41.4 MOD100.102@88.35,44.4 88.35,45.05 88.5,45.2 R301.2@91.25,45.2
  L4 [BOT] w0.15: v1(59.4,12.35) 59.8,12.75 64.65,12.75 64.9,12.5 v1(65.55,12.5)
PCIe_nRST: J300.A11 MOD100.109 R300.2 TP301.1 | length 79.5
  L1 [TOP] w0.15: v1(66.45,13.1) 66.45,13.688 65.91,14.228 65.91,15.385 65.3,15.995 65.3,19 63.931,20.369 63.931,24.95 65.281,26.3 73.3,26.3 74.7,27.7 74.7,29.796 81.854,36.95 83.895,36.95 87.495,40.55 88.5,40.55 89.1,41.15 TP301.1@89.1,41.75 89.1,42.75 89.25,42.9 v2(89.25,43.8) R300.2@91.25,43.8 ; v2(86.1,49.45) 86.1,48.8 86.75,48.15 MOD100.109@86.75,47.48
  L4 [BOT] w0.15: J300.A11@55.65,3.5 55.65,11 57.75,13.1 v1(66.45,13.1) ; v2(86.1,49.45) 86.85,49.45 89.05,47.25 89.05,45.4 89.25,45.2 v2(89.25,43.8)
PCIe_RX_N: J300.A16 MOD100.118 | length 57.9
  L1 [TOP] w0.141: v3(62.775,8.525) 63.003,8.753 63.003,10.247 62.4,10.85 62.4,17.863 61.046,19.217 61.046,28.657 63.939,31.55 71.65,31.55 79.95,39.85 82.147,39.85 85.203,42.906 85.203,44.04 85.177,44.067 85.177,44.373 MOD100.118@85.15,44.4
  L4 [BOT] w0.141: J300.A16@62.65,3.5 62.65,5.25 63.003,5.603 63.003,8.297 v3(62.775,8.525)
PCIe_RX_P: J300.A17 MOD100.116 | length 57.9
  L1 [TOP] w0.141: v3(63.525,8.528) 63.297,8.757 63.297,10.368 62.693,10.971 62.693,17.863 62.693,17.984 61.339,19.338 61.339,28.536 64.06,31.257 71.771,31.257 80.071,39.557 82.268,39.557 85.496,42.785 85.496,44.04 85.523,44.067 85.523,44.373 MOD100.116@85.55,44.4
  L4 [BOT] w0.141: v3(63.525,8.528) 63.297,8.3 63.297,5.603 63.65,5.25 J300.A17@63.65,3.5
PCIe_TX_N: J300.B14 MOD100.124 | length 57.6
  L1 [TOP] w0.141: J300.B14@60.65,3.5 60.65,5.25 61.004,5.603 61.004,9.778 61.004,17.284 59.808,18.48 59.808,29.395 65.407,34.993 73.393,34.993 79.45,41.05 81.65,41.05 84.003,43.403 84.003,44.04 83.977,44.067 83.977,44.373 MOD100.124@83.95,44.4
PCIe_TX_P: J300.B15 MOD100.122 | length 57.6
  L1 [TOP] w0.141: J300.B15@61.65,3.5 61.65,5.25 61.297,5.603 61.297,9.9 61.297,17.406 60.101,18.601 60.101,29.273 65.528,34.7 73.514,34.7 79.571,40.757 81.771,40.757 84.296,43.282 84.296,44.04 84.323,44.067 84.323,44.373 MOD100.122@84.35,44.4
PP1800: MOD100.88 MOD100.90 TP109.1 TP113.1 | length 5.7
  L1 [TOP] w0.15: MOD100.90@70.75,78.32 70.75,78.8 70.85,78.9 70.95,78.9 71.05,78.9 71.15,78.8 MOD100.88@71.15,78.32
  L1 [TOP] w0.25: 70.95,78.9 v1(70.95,79.35)
  L4 [BOT] w0.5: TP113.1@69.05,76.55 69.05,77.4 69.45,77.8 69.75,77.8 TP109.1@70.4,78.45 70.95,79 v1(70.95,79.35)